# Altium PCB PCB1.PcbDoc
Units mil, origin at the board's own origin, x right, y up, seen from the top; angles counter-clockwise.
Board outline 3150 x 5314.96 mil, 2 copper layers (Top Layer, Bottom Layer); 79 components, 78 nets, 280 pads, 22 vias.
Unrouted connection lines stored in the file: 1.
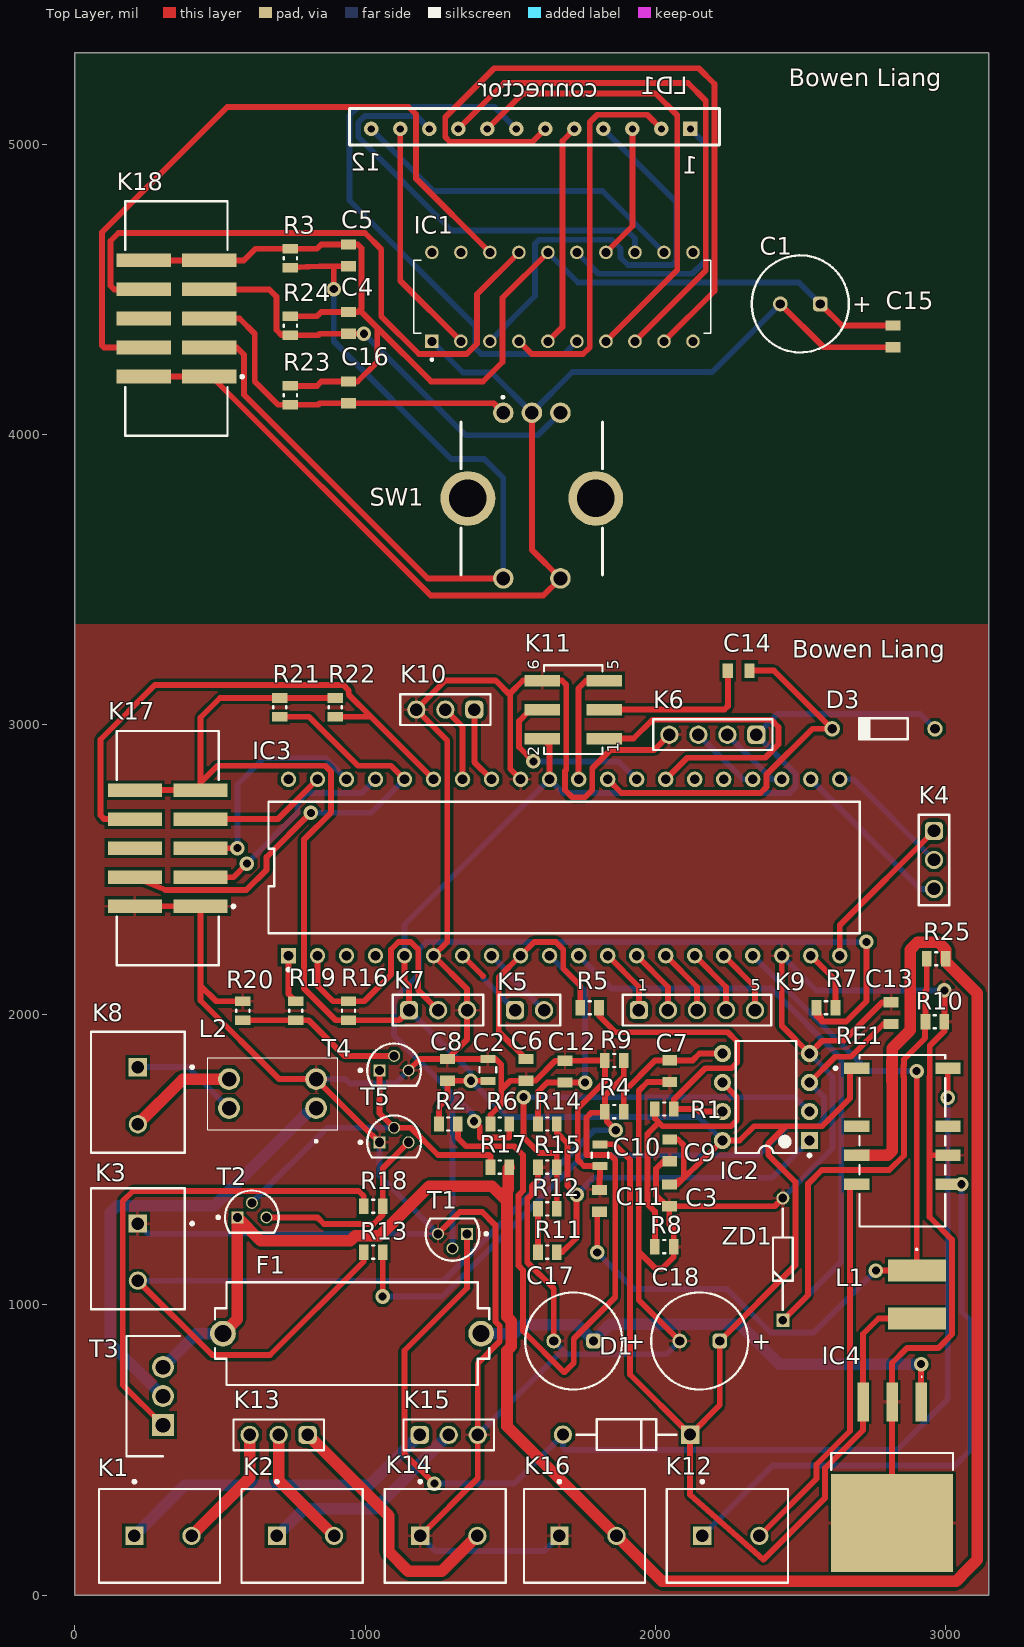
[diagram p0: Top Layer view]
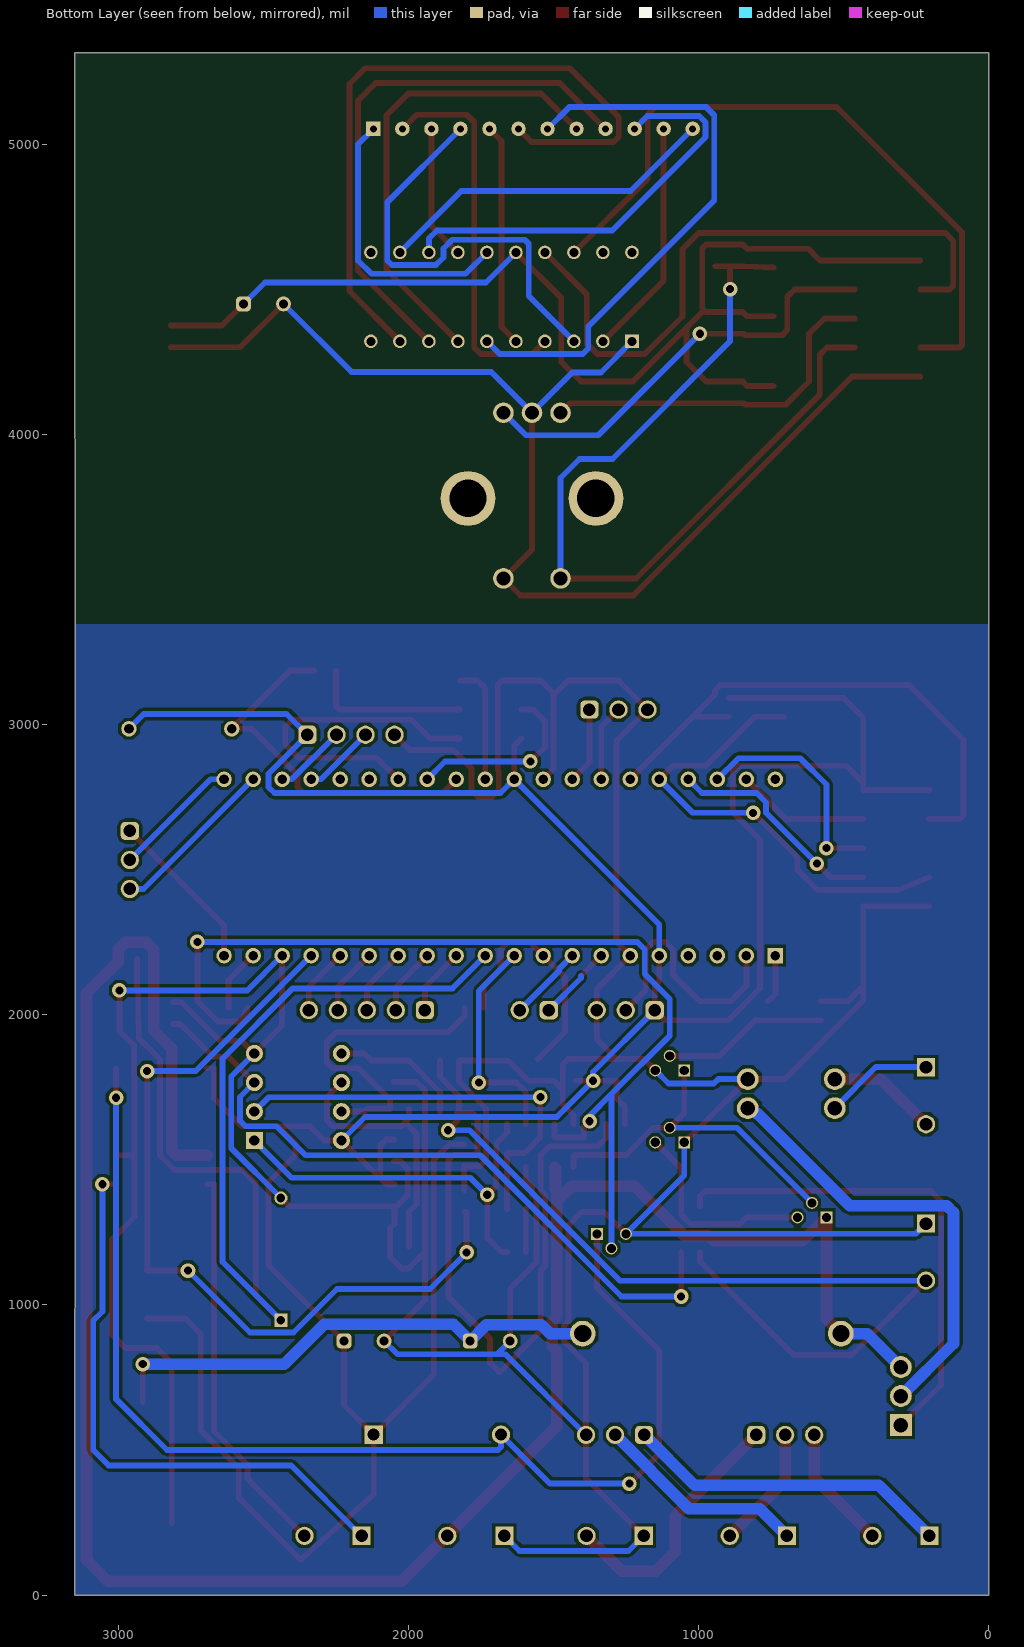
[diagram p1: Bottom Layer view, seen from below]
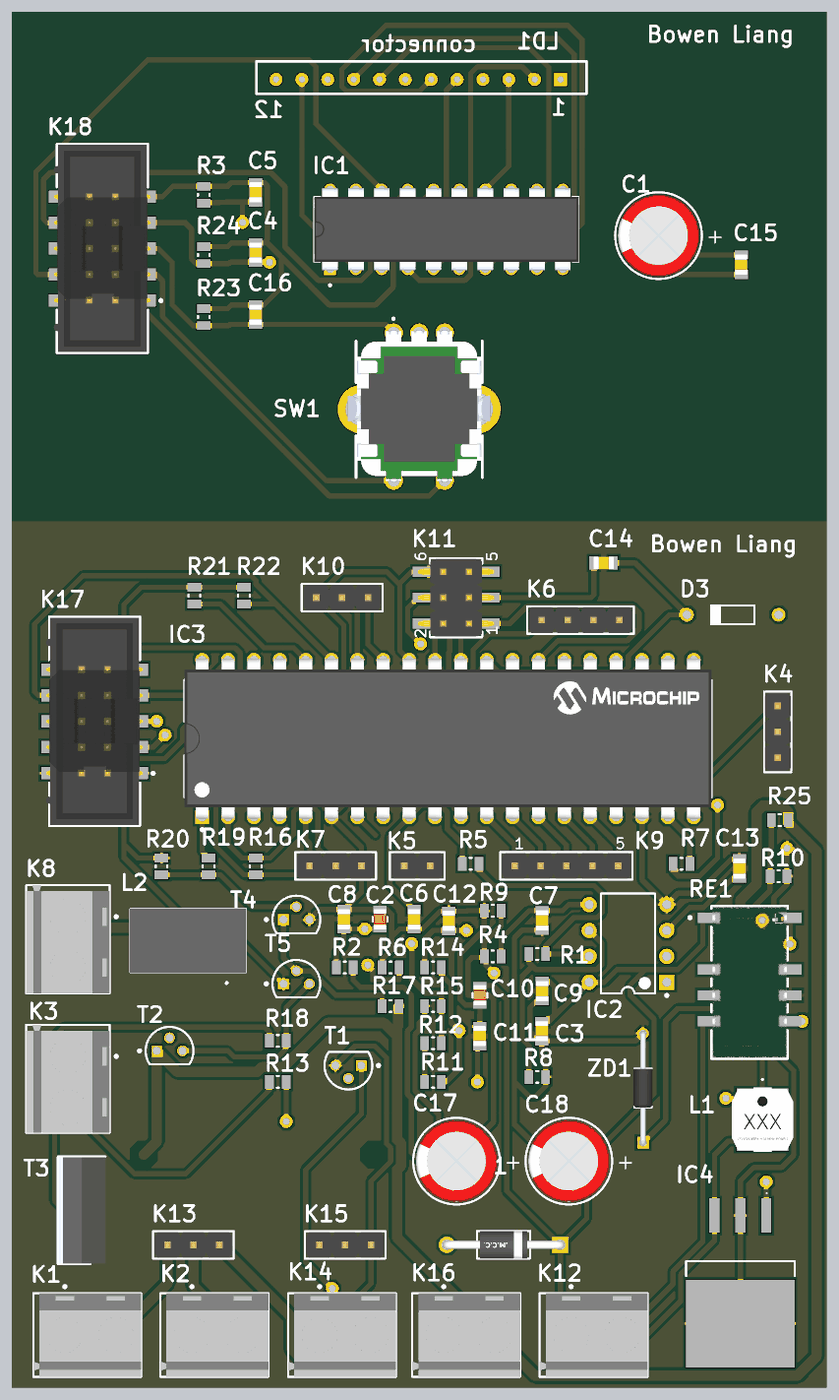
[diagram p2: 3D render of the assembled board from above, using the file's embedded part models]

## Layer stack, top to bottom
Top Solder: solder mask 0.4, Solder Resist, Dk 3.5
Top Layer: signal copper 1.4
Dielectric 1: dielectric 12.6, FR-4, Dk 4.8
Bottom Layer: signal copper 1.4
Bottom Solder: solder mask 0.4, Solder Resist, Dk 3.5

## Board outline
0,0 3150,0 3149.61,1978.31 3149.61,2654.48 3150,5314.96 0,5314.96

## Design rules (kind name [scope] priority, off if disabled: settings)
Clearance [All] p1: gap=10 ignorepadtopadclearanceinfootprint=FALSE
Height [All] p1: minheight=0 maxheight=5000 prefheight=500
PolygonConnect [All] p1: connectstyle=Relief reliefconductorwidth=10 reliefentries=4 polygonreliefangle="90 Angle" airgapwidth=10
RoutingVias [All] p1: holewidth=28 width=50 viastyle="Through Hole" minholewidth=28 minwidth=50 maxholewidth=28 maxwidth=50
SolderMaskExpansion [All] p1: expansion=4 istentingtop=FALSE
Width [All] p1: maxlimit=50 minlimit=15 preferedwidth=20 minimp=50.000000 maximp=50.000000 favimp=50.000000
29 further rules are at their usual default settings.

## Classes and differential pairs
component class Voeding: C17 C18 D1 F1 IC4 K1 K2 K12 K13 K14 K15 K16 R6 R7 R10 R25 RE1 T1 ZD1
component class Versterker: C2 C3 C6 C7 C12 C13 IC2 K3 R1 R2 R4 R5 R8 R9 R11 R12 R13 R14 R15
component class Regelaar: K8 L2 R17 R18 R19 R20 T2 T3 T4 T5
component class Display: C1 C4 C5 C15 C16 IC1 K18 LD1 R3 R23 R24
component class CPU: C8 C9 C10 C11 C14 D3 IC3 K4 K5 K6 K7 K9 K10 K11 K17 L1 R16 R21 R22

## Components (designator, comment, footprint, x,y, rotation, side; value= is the part's Value field where it differs from the comment)
C1 "100u 50V" CAPACITOR100UF 2500,4450 r0 top
C2 "10u 50V" Capacitor10uf 1423.15,1809.97 r90 top
C3 "100n" Capacitor100nf 2048.62,1377.58 r270 top
C4 "10n" CAPACITOR10NF 942.35,4384.5 r90 top
C5 "10n" CAPACITOR10NF 942.35,4617.29 r90 top
C6 "10n" CAPACITOR10NF 1555.12,1809.97 r90 top
C7 "10n" CAPACITOR10NF 2050,1805.45 r90 top
C8 "100n" Capacitor100nf 1283.59,1809.97 r90 top
C9 "100n" Capacitor100nf 2050,1532.38 r270 top
C10 "10u 50V" Capacitor10uf 1809.35,1516.16 r90 top
C11 "100n" Capacitor100nf 1808.36,1358.83 r90 top
C12 "10n" CAPACITOR10NF 1688.98,1803.87 r270 top
C13 "10n" CAPACITOR10NF 2812.77,2005.53 r270 top
C14 "100n" Capacitor100nf 2287.75,3185.6 r0 top
C15 "100n" Capacitor100nf 2819.61,4337.8 r90 top
C16 "10n" CAPACITOR10NF 942.35,4144.81 r90 top
C17 "100u 50V" CAPACITOR100UF 1718.9,875.77 r0 top
C18 "100u 50V" CAPACITOR100UF 2153.34,875.77 r0 top
D1 "1N4007" 1N4007 1901.05,552.75 r180 top
D3 "1N4148" 1N4148 2786.8,2985.6 r180 top
F1 "696101000002" FuseHolder 50955.12,50901.03 r0 top
IC1 "TM1637" TM1637 1680.2,4474.18 r90 top
IC2 "" Opamp 2381.65,1716.47 r180 top
IC3 "ATMEGA4809-PF" ATMEGA4809-PF 1685.92,2507.64 r90 top
IC4 "TL780-05CKTTR" "DC-DC Convertor" 2816.22,400.05 r180 top
K1 "" Shroefconnecter 303.47,203.99 r0 top
K2 "" Shroefconnecter 794.64,203.99 r0 top
K3 "" Shroefconnecter 216.8,1181.96 r270 top
K4 "" [3][1]Pinheader 2960.83,2533.64 r270 top
K5 "" [2][1]Pinheader 1566.93,2015.75 r0 top
K6 "" [4][1]Pinheader 2198.62,2965.13 r180 top
K7 "" [3][1]Pinheader 1251.73,2015.75 r0 top
K8 "" Shroefconnecter 216.8,1721.14 r270 top
K9 "" [5][1]Pinheader 2143.87,2016.09 r0 top
K10 "" [3][1]Pinheader 1276.67,3051.76 r180 top
K11 "" [6][2]Pinheader 1717.58,3051.76 r90 top
K12 "282836-2" Shroefconnecter 2260.55,203.99 r0 top
K13 "" [3][1]Pinheader 702.21,551.97 r180 top
K14 "282836-2" Shroefconnecter 1288.39,203.98 r0 top
K15 "61300311121" [3][1]Pinheader 1288.39,551.97 r0 top
K16 "282836-2" Shroefconnecter 1768.11,203.99 r0 top
K17 "61231020621" [10][2]Pinheader 319.9,2574.19 r90 top
K18 "61231020621" [10][2]Pinheader 350,4400 r90 top
L1 "10uH" Smoorspoel 2901.85,1035.65 r270 top
L2 "" "Common mode smoorspoel" 831.09,1678.12 r90 top
LD1 "" 7segment 1711.26,5118.11 r180 top
R1 "18k" Resistor 2031.3,1675.32 r180 top
R2 "1M" Resistor 1287.25,1623.42 r180 top
R3 "10k" Resistor 742.35,4607.45 r90 top
R4 "5k6" Resistor 1858.9,1666.46 r180 top
R5 "5k6" Resistor 1773.8,2024.36 r0 top
R6 "4k7" Resistor 1464.4,1623.42 r180 top
R7 "10k" Resistor 2588.51,2024.36 r180 top
R8 "100" Resistor 2031.3,1201 r180 top
R9 "10M" Resistor 1858.9,1842.45 r180 top
R10 "10k" Resistor 2964.02,1976 r0 top
R11 "18k" Resistor 1628.41,1181.97 r180 top
R12 "18k" Resistor 1628.41,1330.89 r0 top
R13 "5k6" Resistor 1028.15,1181.96 r180 top
R14 "5k6" Resistor 1628.41,1623.42 r0 top
R15 "100" Resistor 1628.41,1474.82 r180 top
R16 "4k7" Resistor 942.86,2013.85 r90 top
R17 "4k7" Resistor 1464.4,1474.82 r0 top
R18 "100" Resistor 1028.15,1340.17 r180 top
R19 "10k" Resistor 760.97,2013.85 r270 top
R20 "4k7" Resistor 578.74,2013.85 r270 top
R21 "4k7" Resistor 705.66,3059.44 r90 top
R22 "4k7" Resistor 897.42,3059.43 r90 top
R23 "10k" Resistor 742.35,4134.97 r90 top
R24 "10k" Resistor 742.35,4374.65 r90 top
R25 "6k8" Resistor 2968.5,2192.91 r180 top
RE1 "G6S-2F-DC5" VermogenRelais 2851.81,1565.88 r270 top
SW1 "" Encoder 1574.8,3779.53 r0 top
T1 "BC547C" BC547C 1301.18,1244.96 r180 top
T2 "BC547C" BC547C 609.74,1301.75 r0 top
T3 "IRF9Z34NPBF" MOSFET 303.47,585.75 r90 top
T4 "BC547C" BC547C 1100,1808.4 r0 top
T5 "BC557C" BC557C 1100,1560.43 r0 top
ZD1 "5V1" Zenerdiode 2439.93,947.18 r90 top

## Footprints (in the part's own frame and the unit in brackets; to place one, negate y for a bottom-side part, rotate by r counter-clockwise, add the part's x,y. Pads: shape width x height; smd on the part's side, far side on the other; paste and mask are expansions set on the pad)
1N4007 [mm]
  rect 1.6x1.6 hole 1.05 paste-2539.97 mask+0: 1(-5.57,0)
  round 1.6 hole 1.05 paste-2539.97 mask+0: 2(5.57,0)
  silkscreen extent -4.37,-1.35 4.37,1.35, body extent -6.47,-1.45 6.47,1.45, height 0.25
1N4148 [mm] "SOD27, 2-Leads, Dia 1.85mm, Body Length 4.25mm, Pin Spacing 9mm"
  round 1.35 hole 0.85: 1(-4.5,0) 2(4.5,0)
  silkscreen extent -2.13,-0.93 2.12,0.92, body extent -4.78,-0.92 4.78,0.92, height 1.84
7segment [mil]
  rect 50x50 hole 25: 1(-410,65)
  round 50 hole 25: 2(-310,65) 3(-210,65) 4(-110,65) 5(-10,65) 6(90,65) 7(190,65) 8(290,65) 9(390,65) 10(490,65) 11(590,65) 12(690,65)
  silkscreen extent -510,-5 765,120
[2][1]Pinheader [mm] "Pin Header, pitch 2.54 mm, THT, Vertical, single row, 2p"
  rrect50% 1.6x1.6 hole 1.1: 1(-1.27,0)
  round 1.6 hole 1.1: 2(1.27,0)
  silkscreen extent -2.69,-1.35 2.69,1.34, body extent -2.54,-1.27 2.54,1.27, height 8.57
[3][1]Pinheader [mm] "Pin Header, pitch 2.54 mm, THT, Vertical, single row, 3p"
  rrect50% 1.6x1.6 hole 1.1: 1(-2.54,0)
  round 1.6 hole 1.1: 2(0,0) 3(2.54,0)
  silkscreen extent -3.96,-1.35 3.96,1.34, body extent -3.81,-1.27 3.81,1.27, height 8.57
[4][1]Pinheader [mm] "Pin Header, pitch 2.54 mm, THT, Vertical, single row, 4p"
  rrect50% 1.6x1.6 hole 1.1: 1(-3.81,0)
  round 1.6 hole 1.1: 2(-1.27,0) 3(1.27,0) 4(3.81,0)
  silkscreen extent -5.23,-1.35 5.23,1.34, body extent -5.08,-1.27 5.08,1.27, height 8.57
[5][1]Pinheader [mm] "Pin Header, pitch 2.54 mm, THT, Vertical, single row, 5p"
  rrect50% 1.6x1.6 hole 1.1: 1(-5.08,0)
  round 1.6 hole 1.1: 2(-2.54,0) 3(0,0) 4(2.54,0) 5(5.08,0)
  silkscreen extent -6.5,-1.35 6.5,1.34, body extent -6.35,-1.27 6.35,1.27, height 8.57
[6][2]Pinheader [mm] "Pin Header, pitch 2.54 mm, SMD, Vertical, dual row, 6p"
  rect 1x3.1 smd: 1(-2.54,-2.7) 2(-2.54,2.7) 3(0,-2.7) 4(0,2.7) 5(2.54,-2.7) 6(2.54,2.7)
  silkscreen extent -3.88,-2.57 3.88,2.56, body extent -3.81,-3.75 3.81,3.75, height 9.62
[10][2]Pinheader [mm] "WR-BHD 2.54mm Male SMT Box Header (Reel), 10p"
  rect 1.2x4.75 smd: 1(-5.08,-2.875) 2(-5.08,2.875) 3(-2.54,-2.875) 4(-2.54,2.875) 5(0,-2.875) 6(0,2.875) 7(2.54,-2.875) 8(2.54,2.875) 9(5.08,-2.875) 10(5.08,2.875)
  silkscreen extent -10.26,-5.88 10.26,4.47, body extent -10.16,-4.75 10.16,4.76, height 11.35
ATMEGA4809-PF [mm]
  rect 1.35x1.35 hole 0.85 paste-2539.97 mask+0: 1(-7.715,24.13)
  round 1.35 hole 0.85 paste-2539.97 mask+0: 2(-7.715,21.59) 3(-7.715,19.05) 4(-7.715,16.51) 5(-7.715,13.97) 6(-7.715,11.43) 7(-7.715,8.89) 8(-7.715,6.35) 9(-7.715,3.81) 10(-7.715,1.27) 11(-7.715,-1.27) 12(-7.715,-3.81) 13(-7.715,-6.35) 14(-7.715,-8.89) 15(-7.715,-11.43) 16(-7.715,-13.97) 17(-7.715,-16.51) 18(-7.715,-19.05) 19(-7.715,-21.59) 20(-7.715,-24.13) 21(7.715,-24.13) 22(7.715,-21.59) 23(7.715,-19.05) 24(7.715,-16.51) 25(7.715,-13.97) 26(7.715,-11.43) 27(7.715,-8.89) 28(7.715,-6.35) 29(7.715,-3.81) 30(7.715,-1.27) 31(7.715,1.27) 32(7.715,3.81) 33(7.715,6.35) 34(7.715,8.89) 35(7.715,11.43) 36(7.715,13.97) 37(7.715,16.51) 38(7.715,19.05) 39(7.715,21.59) 40(7.715,24.13)
  silkscreen extent -9.07,-25.88 5.76,25.88, body extent -8.49,-26.71 8.49,26.71, height 0.25
BC547C [mm] "TO, 3-Leads, Body Dia 4.7mm, Pitch 1.27mm"
  rect 1.05x1.05 hole 0.8: 1(-1.27,0)
  round 1.05 hole 0.8: 2(0,1.27) 3(1.27,0)
  silkscreen extent -3.08,-1.34 2.35,2.35, body extent -2.35,-1.33 2.36,2.36, height 7.87
BC557C [mm] "TO, 3-Leads, Body Dia 4.7mm, Pitch 1.27mm"
  rect 1.05x1.05 hole 0.8: 1(-1.27,0)
  round 1.05 hole 0.8: 2(0,1.27) 3(1.27,0)
  silkscreen extent -3.07,-1.34 2.35,2.35, body extent -2.35,-1.33 2.36,2.36, height 7.87
CAPACITOR10NF [mm] "Ceramic Capacitors, body 2x1.25mm"
  rect 0.9x1.3 smd: 1(-0.95,0) 2(0.95,0)
  body extent -1,-0.62 1,0.63, height 0.8
Capacitor10uf [mm]
  rect 0.7x1.3 smd paste+0 mask+0: 1(-0.95,0) 2(0.95,0)
  silkscreen extent -0.22,-0.73 0.23,0.72, body extent -1.4,-0.82 1.4,0.82, height 0.25
Capacitor100nf [mm] "Ceramic Capacitors, body 2x1.25mm"
  rect 0.9x1.3 smd: 1(-0.95,0) 2(0.95,0)
  body extent -1,-0.62 1,0.63, height 0.8
CAPACITOR100UF [mm] "Aluminum Electrolytic Capacitors, 8x11.5mm"
  rrect50% 1.3x1.3 hole 0.8: 1(1.75,0)
  round 1.3 hole 0.8: 2(-1.75,0)
  silkscreen extent -4.25,-4.25 4.25,4.25, body extent -3.99,-4 4,4, height 11.81
"Common mode smoorspoel" [mil] "CM2545X171B10"
  round 75 hole 50: 1(0,0) 2(100,0) 3(100,300) 4(0,300)
  silkscreen extent -118,-74 174,374, body extent -74,-74 174,374, height 378
"DC-DC Convertor" [mm]
  rect 1x3.4 smd: 1(-2.54,-6.745) 2(0,-6.745) 3(2.54,-6.745)
  rect 10.7x8.6 smd: 4(0,3.855)
  silkscreen extent -5.33,-9 5.33,-0.8
Encoder [mm]
  round 1.8 hole 1.2: 1(-2.5,7.5) 2(2.5,7.5) 3(0,7.5) 4(-2.5,-7) 5(2.5,-7)
  round 4.8 hole 3.28: 6(5.6,0) 7(-5.6,0)
  silkscreen extent -6.2,-6.7 6.2,8.95, body extent -7,-7.15 6.99,7.75, height 13.18
FuseHolder [mm] "FUSEHOLDER BLOCKS - PCB - CLIP COVER - THT"
  round 2.25 hole 1.5: 1(-1281.3,-1270) 2(-1258.7,-1270)
  silkscreen extent -1282,-1274.5 -1258,-1265.5, body extent -1282,-1274.5 -1258,-1265.5, height 13.55
MOSFET [mm]
  rect 1.92x1.92 hole 1.28: 1(0,0)
  round 1.92 hole 1.28: 2(2.54,0) 3(5.08,0)
  silkscreen extent -2.73,-1.5 7.81,3.19, body extent -2.67,-1.5 7.75,3.19, height 18.84
Opamp [mm] "8-Pin Plastic Dual In-Line Package (PDIP)"
  rect 1.5x1.5 hole 0.9: 1(-3.81,3.81)
  round 1.5 hole 0.9: 2(-3.81,1.27) 3(-3.81,-1.27) 4(-3.81,-3.81) 5(3.81,-3.81) 6(3.81,-1.27) 7(3.81,1.27) 8(3.81,3.81)
  silkscreen extent -3.94,-4.9 2.65,5.23, body extent -3.55,-4.9 3.55,4.9, height 4.32
Resistor [mm] "Chip Resistor, 2-Leads, Body 2.00x1.25mm, IPC High Density"
  rect 0.85x1.35 smd: 1(-0.825,0) 2(0.825,0)
  silkscreen extent -0.1,-0.58 0.1,0.57, body extent -1.1,-0.72 1.1,0.72, height 0.5
Shroefconnecter [mm] "Female Header, Pitch 5mm, 1 x 2 Position, Height 10mm"
  rect 1.6x1.6 hole 1.1: 1(-2.5,0)
  round 1.6 hole 1.1: 2(2.5,0)
  silkscreen extent -5.6,-4.1 5,4.87, body extent -5.6,-4.1 5,4.1, height 10
Smoorspoel [mm] "10uH"
  rect 1.9x5.1 smd: 1(-2.1,0) 2(2.1,0)
  silkscreen extent -4,-0.05 -3.9,0.05, body extent -3.15,-3 3.15,3, height 4.5
TM1637 [mm]
  rect 1.19x1.19 hole 0.79: 1(-3.89,11.43)
  round 1.19 hole 0.79: 2(-3.89,8.89) 3(-3.89,6.35) 4(-3.89,3.81) 5(-3.89,1.27) 6(-3.89,-1.27) 7(-3.89,-3.81) 8(-3.89,-6.35) 9(-3.89,-8.89) 10(-3.89,-11.43) 11(3.89,-11.43) 12(3.89,-8.89) 13(3.89,-6.35) 14(3.89,-3.81) 15(3.89,-1.27) 16(3.89,1.27) 17(3.89,3.81) 18(3.89,6.35) 19(3.89,8.89) 20(3.89,11.43)
  silkscreen extent -5.58,-13 3.2,13, body extent -4.03,-13 4.03,13, height 4.31
VermogenRelais [mm]
  rect 1x2.2 smd paste+0 mask+0: 1(-6.35,-4) 3(-1.27,-4) 4(1.27,-4) 5(3.81,-4) 8(3.81,4) 9(1.27,4) 10(-1.27,4) 12(-6.35,4)
  silkscreen extent -7.5,-5.97 7.5,3.75, body extent -7.6,-5.2 7.6,5.2, height 0.25
Zenerdiode [mm] "DIOAD1068W53L380D172"
  rect 1.15x1.15 hole 0.75: 1(0,0)
  round 1.15 hole 0.75: 2(10.7,0)
  silkscreen extent 0.93,-0.86 9.78,0.86, body extent -0.26,-0.95 10.95,0.95, height 1.9

## Part data
C1 C17: library part CapacitorPol, "860010683032 WCAP-ATG8 Aluminum Electrolytic Capacitors", Capacitance=4.7mF, Case/Package=Radial, Leakage Current=2.35mA, Max Operating Temperature=85°C, Min Operating Temperature=-40°C, Ripple Current=3.355A, Tolerance=20%, Voltage Rating=50V, Diameter=22mm, Height=41mm, Height - Seated (Max)=43.0022mm, Lead Pitch=10.0076mm, Length=41mm, Life (Hours)=2000hours, Mount="Through Hole", NexarPartId=53914131, Pitch=10mm, Polarity=Polar, REACH SVHC=Unknown, RoHS=Compliant, Voltage Rating (DC)=50V
C2 C3 C4 C5 C6 C7 C8 C9 C10 C11 C12 C13 C14 C15 C16 C18: library part Capacitor, "CAP CER 10000PF 50V X7R 0805", Capacitance=10nF, Case Code (Imperial)=0805, Case Code (Metric)=2012, Dielectric=X7R, Insulation Resistance=10GΩ, Max Operating Temperature=125°C, Min Operating Temperature=-55°C, Tolerance=10%, Voltage Rating=50V, Case/Package=0805, Height=800µm, Length=2mm, Material=Ceramic, Mount="Surface Mount", NexarPartId=65419863, Packaging="Tape & Reel (TR)", REACH SVHC=Unknown, RoHS=Compliant, Thickness=889µm, Voltage Rating (DC)=50V, Width=1.25mm
D1: library part Diode, "DIODE GEN PURP 1KV 1A DO41", Average Rectified Current=1A, Capacitance=15pF, Case/Package=DO-41, Forward Voltage=1V, Max Forward Surge Current (Ifsm)=30A, Max Operating Temperature=150°C, Max Repetitive Reverse Voltage (Vrrm)=1kV, Max Reverse Current=5uA, Min Operating Temperature=-55°C, Package Quantity=1, Current Rating=1A, Diameter=2.7mm, Element Configuration=Single, Forward Current=1A, Lead Free="Lead Free", Length=5.2mm, Max Reverse Voltage (DC)=1kV, Max Surge Current=30A, Mount="Through Hole", Number of Pins=2, Output Current=1A, Packaging="Tape and Reel", Peak Non-Repetitive Surge Current=30A, Polarity=Standard, Radiation Hardening=No, Recovery Time=2000ns, Reverse Recovery Time=2us, Reverse Voltage=1kV, RoHS Compliant=Yes, Voltage Rating (DC)=1kV
D3: library part Diode, Average Rectified Current=1A, Capacitance=15pF, Case/Package=DO-41, Forward Voltage=1V, Max Forward Surge Current (Ifsm)=30A, Max Operating Temperature=150°C, Max Repetitive Reverse Voltage (Vrrm)=1kV, Max Reverse Current=5uA, Min Operating Temperature=-55°C, Package Quantity=1, Current Rating=1A, Diameter=2.7mm, Element Configuration=Single, Forward Current=1A, Lead Free="Lead Free", Length=5.2mm, Max Reverse Voltage (DC)=1kV, Max Surge Current=30A, Mount="Through Hole", Number of Pins=2, Output Current=1A, Packaging="Tape and Reel", Peak Non-Repetitive Surge Current=30A, Polarity=Standard, Radiation Hardening=No, Recovery Time=2000ns, Reverse Recovery Time=2us, Reverse Voltage=1kV, RoHS Compliant=Yes, Voltage Rating (DC)=1kV
F1: library part FuseHolder, Fuse Current=10A, Max Operating Temperature=120°C, Min Operating Temperature=-30°C, Voltage Rating (AC)=250V, Height=13.6mm, Mount="Through Hole", NexarPartId=56808803, Packaging=Box, REACH SVHC=Unknown, RoHS=Non-Compliant
IC1: "LED Drive Control Special Circuit", Package=Package, Availability="Not in stock", Check_prices=https://www.snapeda.com/parts/TM1637/Titan+Micro+Electronics/view-part/?ref=eda, MF="Titan Micro Electronics", MP=TM1637, Price=None, SnapEDA_Link=https://www.snapeda.com/parts/TM1637/Titan+Micro+Electronics/view-part/?ref=snap
IC2: library part Opamp, "None", Case/Package=PDIP, Input Bias Current=1pA, Input Offset Voltage (Vos)=4.5mV, Max Operating Temperature=125°C, Max Supply Voltage=6V, Min Operating Temperature=-40°C, Min Supply Voltage=1.8V, Nominal Supply Current=100uA, Operating Supply Voltage=5.5V, Output Current=23mA, Package Quantity=60, Power Supply Rejection Ratio (PSRR)=86dB, Voltage Gain=112dB, Amplifier Type="GENERAL PURPOSE", Bandwidth=1MHz, Common Mode Rejection Ratio=60dB, Gain Bandwidth Product=1MHz, Height=3.3mm, Input Offset Voltage-Max=4.5mV, Lead Free="Lead Free", Length=9.27mm, Mount="Through Hole", Number of Amplifiers=2, Number of Channels=2, Number of Circuits=2, Number of Elements=2, Number of Pins=8, Operating Supply Current=100uA, Output Current per Channel=23mA, Packaging=Rail/Tube, Radiation Hardening=No, REACH SVHC="No SVHC", RoHS Compliant=Yes, Slew Rate=0.6V/µs, Slew Rate-Nom=0.6V/µs, Supply Current=100uA, Technology=CMOS, Unity Gain Bandwidth Product=1MHz, Width=6.35mm
IC3: library part IC3, "IC MCU 8BIT 48KB FLASH 40DIP", RoHS Compliant=Yes
IC4: library part "DC/DC Convertor", "IC REG LIN 5V 1.5A DDPAK/TO263-3", Case/Package=TO-263, Dropout Voltage=2V, Max Input Voltage=25V, Max Operating Temperature=125°C, Max Output Current=1.5A, Max Output Voltage=5V, Min Input Voltage=7V, Min Operating Temperature=0°C, Output Voltage Accuracy=1%, Package Quantity=1, Power Supply Rejection Ratio (PSRR)=85dB, Quiescent Current=8mA, Accuracy=1%, Height=4.83mm, Lead Free="Lead Free", Length=10.67mm, Mount="Surface Mount", Nominal Output Voltage=5V, Number of Outputs=1, Number of Pins=3, Number of Regulators=1, Output Current=1.5A, Output Type=Fixed, Output Voltage=5V, Packaging="Tape and Reel", Polarity=Positive, REACH SVHC="No SVHC", Weight=0.050897oz, Width=9.65mm